# KiCad board bugg-panel-r3.kicad_pcb (continued)
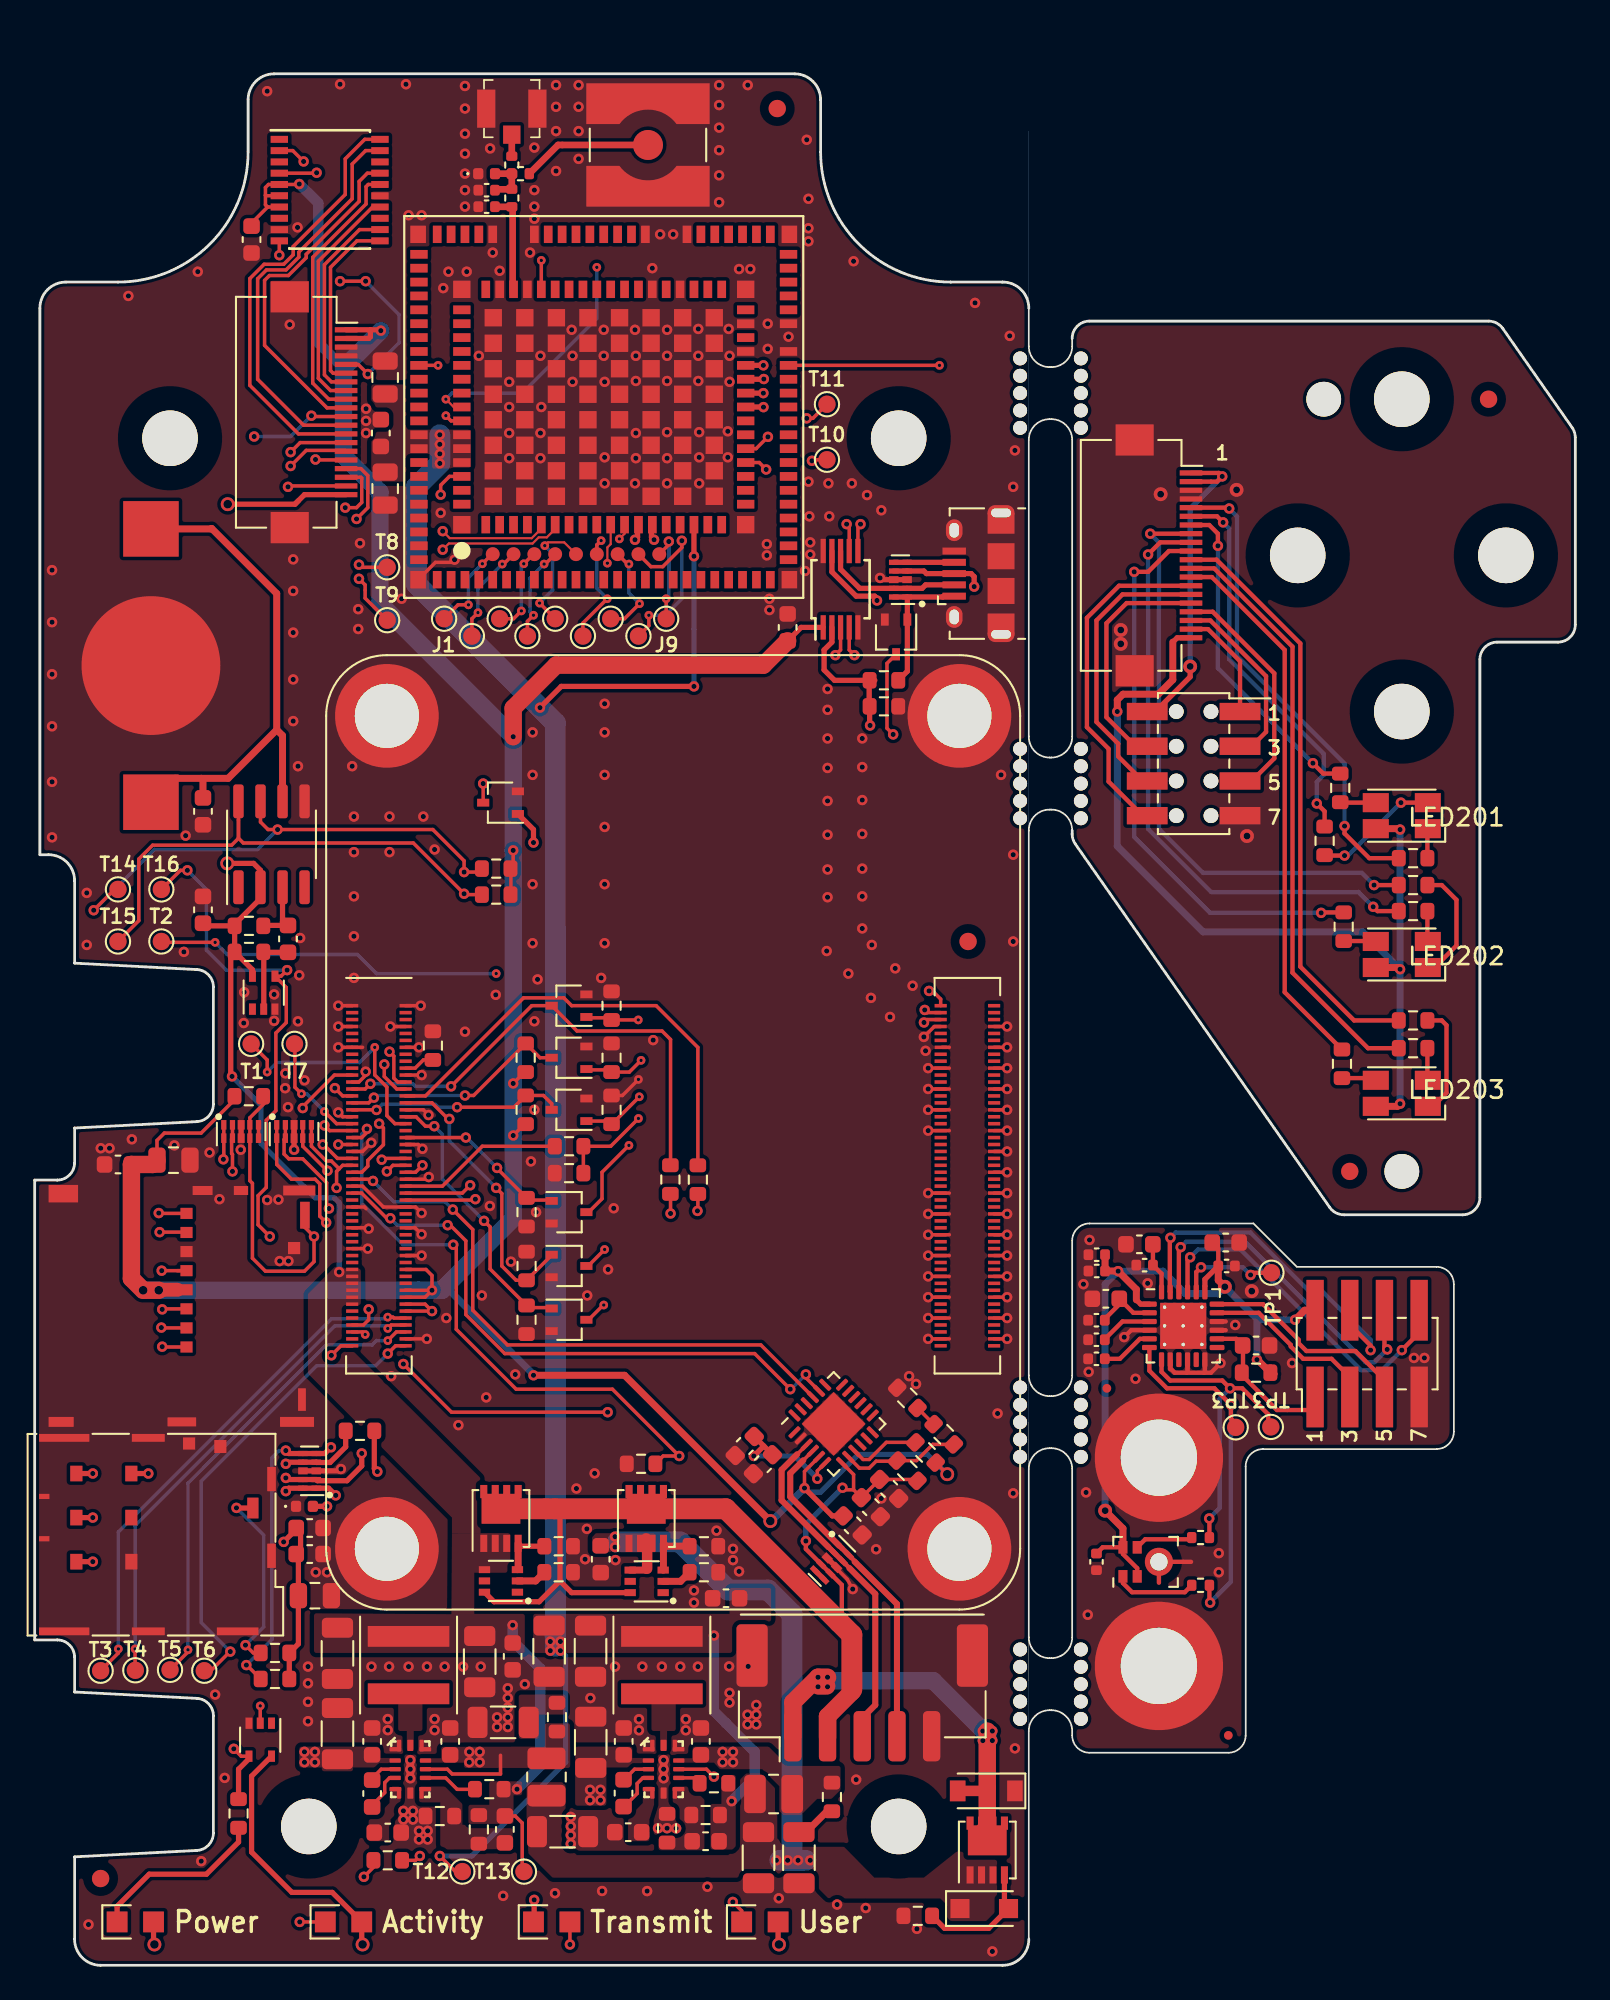
[diagram p0: board, top side]
## Footprints (pads in the part's own frame, mm; a bottom-side part is the same pattern mirrored in y, then rotated) (continued)
  rect 1.55x0.55 smd: DSW1(-5.225,14.775)
  rect 0.7x0.7 smd: DSW2(-3.33,14.15)
  rect 0.57x1.85 smd: GND(-6.65,14.45)
  rect 0.52x0.82 smd: GND(-6.65,11.09)
  rect 0.52x1.15 smd: GND(-6.65,8.88)
  rect 1.01x1.7 smd: GND(-6.465,0.85)
  rect 1.3x0.45 smd: GND(5.4,14.605)
  rect 0.57x1.96 smd: GND(6.685,14.32)
  rect 0.52x1.65 smd: GND(6.685,7.68)
  rect 0.57x1.45 smd: GND(6.685,0.725)
Molex_CLIK-Mate_502443-0570_1x05-1MP_P2.00mm_Vertical
  rrect 1x2.9 smd: 1(-4,-2.5) 2(-2,-2.5) 3(0,-2.5) 4(2,-2.5) 5(4,-2.5)
  rrect 1.8x3.6 smd: MP(-6.35,2.15) MP(6.35,2.15)
Mounting_Wuerth_WA-SMSI-M3_H7mm_9774070360
  custom 3.192x3.192 smd: (-2.058,2.058) (-2.058,-2.058) (2.058,2.058) (2.058,-2.058)
  round 4.4 hole 4.4 unplated: (0,0)
  round 1.1 smd: 1(-2.95,0) 1(0,2.95) 1(0,-2.95)
  custom 7.4x7.4 smd: 1(2.95,0)
MountingHole_3.2mm_M3_DIN965
  round 5.5 hole 3.2 unplated: (0,0)
mousebite-2.5mm
  round 0.8 hole 0.8 unplated: (-2,3) (-2,-0.5) (-1,3) (-1,-0.5) (0,3) (0,-0.5) (1,3) (1,-0.5) (2,3) (2,-0.5)
MSOP-10_3x3mm_P0.5mm
  rect 1.4x0.3 smd: 1(-2.2,1) 2(-2.2,0.5) 3(-2.2,0) 4(-2.2,-0.5) 5(-2.2,-1) 6(2.2,-1) 7(2.2,-0.5) 8(2.2,0) 9(2.2,0.5) 10(2.2,1)
PinHeader_2x04_P2.00mm_Vertical_SMD_AMPMODU
  rect 3.5x1 smd: 1(-2.5,3) 2(2.5,3) 3(-2.5,1) 4(2.5,1) 5(-2.5,-1) 6(2.5,-1) 7(-2.5,-3) 8(2.5,-3)
PinSocket_2x04_P2.00mm_Vertical_SMD_Bottom_or_Top_Entry_AMPMODU
  round 0.85 hole 0.85 unplated: (-1,3) (-1,1) (-1,-1) (-1,-3) (1,3) (1,1) (1,-1) (1,-3)
  rect 2.35x1 smd: 1(2.675,3) 2(-2.675,3) 3(2.675,1) 4(-2.675,1) 5(2.675,-1) 6(-2.675,-1) 7(2.675,-3) 8(-2.675,-3)
QFN-24-1EP_4x4mm_P0.5mm_EP2.6x2.6mm
  rrect 1.05x1.05 smd: (-0.65,0.65) (-0.65,-0.65) (0.65,0.65) (0.65,-0.65)
  rrect 0.825x0.25 smd: 1(-1.938,1.25) 2(-1.937,0.75) 3(-1.938,0.25) 4(-1.938,-0.25) 5(-1.937,-0.75) 6(-1.938,-1.25) 13(1.938,-1.25) 14(1.937,-0.75) 15(1.938,-0.25) 16(1.938,0.25) 17(1.937,0.75) 18(1.938,1.25)
  rrect 0.25x0.825 smd: 7(-1.25,-1.938) 8(-0.75,-1.937) 9(-0.25,-1.938) 10(0.25,-1.938) 11(0.75,-1.937) 12(1.25,-1.938) 19(1.25,1.938) 20(0.75,1.937) 21(0.25,1.938) 22(-0.25,1.938) 23(-0.75,1.937) 24(-1.25,1.938)
  rect 2.6x2.6 smd: 25(0,0)
QFN-24-1EP_4x4mm_P0.5mm_EP2.65x2.65mm_ThermalVias
  rrect 1.15x1.15 smd: (-0.66,0.66) (-0.66,-0.66) (0.66,0.66) (0.66,-0.66)
  rrect 0.85x0.3 smd: 1(-1.95,1.25) 2(-1.95,0.75) 3(-1.95,0.25) 4(-1.95,-0.25) 5(-1.95,-0.75) 6(-1.95,-1.25) 13(1.95,-1.25) 14(1.95,-0.75) 15(1.95,-0.25) 16(1.95,0.25) 17(1.95,0.75) 18(1.95,1.25)
  rrect 0.3x0.85 smd: 7(-1.25,-1.95) 8(-0.75,-1.95) 9(-0.25,-1.95) 10(0.25,-1.95) 11(0.75,-1.95) 12(1.25,-1.95) 19(1.25,1.95) 20(0.75,1.95) 21(0.25,1.95) 22(-0.25,1.95) 23(-0.75,1.95) 24(-1.25,1.95)
  round 0.5 hole 0.2: 25(-1.075,1.075) 25(-1.075,0) 25(-1.075,-1.075) 25(0,1.075) 25(0,0) 25(0,-1.075) 25(1.075,1.075) 25(1.075,0) 25(1.075,-1.075)
  rect 2.65x2.65 smd: 25(0,0)
  rect 2.65x2.65 smd far side: 25(0,0)
R_0402_1005Metric
  rrect 0.54x0.64 smd: 1(-0.51,0) 2(0.51,0)
R_0603_1608Metric
  rrect 0.8x0.95 smd: 1(-0.825,0) 2(0.825,0)
Raspberry-Pi-4-Compute-Module-no-holes
  rect 0.7x0.2 smd: 1(-2,31.3) 2(1.08,31.3) 3(-2,30.9) 4(1.08,30.9) 5(-2,30.5) 6(1.08,30.5) 7(-2,30.1) 8(1.08,30.1) 9(-2,29.7) 10(1.08,29.7) 11(-2,29.3) 12(1.08,29.3) 13(-2,28.9) 14(1.08,28.9) 15(-2,28.5) 16(1.08,28.5) 17(-2,28.1) 18(1.08,28.1) 19(-2,27.7) 20(1.08,27.7) 21(-2,27.3) 22(1.08,27.3) 23(-2,26.9) 24(1.08,26.9) 25(-2,26.5) 26(1.08,26.5) 27(-2,26.1) 28(1.08,26.1) 29(-2,25.7) 30(1.08,25.7) 31(-2,25.3) 32(1.08,25.3) 33(-2,24.9) 34(1.08,24.9) 35(-2,24.5) 36(1.08,24.5) 37(-2,24.1) 38(1.08,24.1) 39(-2,23.7) 40(1.08,23.7) 41(-2,23.3) 42(1.08,23.3) 43(-2,22.9) 44(1.08,22.9) 45(-2,22.5) 46(1.08,22.5) 47(-2,22.1) 48(1.08,22.1) 49(-2,21.7) 50(1.08,21.7) 51(-2,21.3) 52(1.08,21.3) 53(-2,20.9) 54(1.08,20.9) 55(-2,20.5) 56(1.08,20.5) 57(-2,20.1) 58(1.08,20.1) 59(-2,19.7) 60(1.08,19.7) 61(-2,19.3) 62(1.08,19.3) 63(-2,18.9) 64(1.08,18.9) 65(-2,18.5) 66(1.08,18.5) 67(-2,18.1) 68(1.08,18.1) 69(-2,17.7) 70(1.08,17.7) 71(-2,17.3) 72(1.08,17.3) 73(-2,16.9) 74(1.08,16.9) 75(-2,16.5) 76(1.08,16.5) 77(-2,16.1) 78(1.08,16.1) 79(-2,15.7) 80(1.08,15.7) 81(-2,15.3) 82(1.08,15.3) 83(-2,14.9) 84(1.08,14.9) 85(-2,14.5) 86(1.08,14.5) 87(-2,14.1) 88(1.08,14.1) 89(-2,13.7) 90(1.08,13.7) 91(-2,13.3) 92(1.08,13.3) 93(-2,12.9) 94(1.08,12.9) 95(-2,12.5) 96(1.08,12.5) 97(-2,12.1) 98(1.08,12.1) 99(-2,11.7) 100(1.08,11.7) 101(31.92,31.3) 102(35,31.3) 103(31.92,30.9) 104(35,30.9) 105(31.92,30.5) 106(35,30.5) 107(31.92,30.1) 108(35,30.1) 109(31.92,29.7) 110(35,29.7) 111(31.92,29.3) 112(35,29.3) 113(31.92,28.9) 114(35,28.9) 115(31.92,28.5) 116(35,28.5) 117(31.92,28.1) 118(35,28.1) 119(31.92,27.7) 120(35,27.7) 121(31.92,27.3) 122(35,27.3) 123(31.92,26.9) 124(35,26.9) 125(31.92,26.5) 126(35,26.5) 127(31.92,26.1) 128(35,26.1) 129(31.92,25.7) 130(35,25.7) 131(31.92,25.3) 132(35,25.3) 133(31.92,24.9) 134(35,24.9) 135(31.92,24.5) 136(35,24.5) 137(31.92,24.1) 138(35,24.1) 139(31.92,23.7) 140(35,23.7) 141(31.92,23.3) 142(35,23.3) 143(31.92,22.9) 144(35,22.9) 145(31.92,22.5) 146(35,22.5) 147(31.92,22.1) 148(35,22.1) 149(31.92,21.7) 150(35,21.7) 151(31.92,21.3) 152(35,21.3) 153(31.92,20.9) 154(35,20.9) 155(31.92,20.5) 156(35,20.5) 157(31.92,20.1) 158(35,20.1) 159(31.92,19.7) 160(35,19.7) 161(31.92,19.3) 162(35,19.3) 163(31.92,18.9) 164(35,18.9) 165(31.92,18.5) 166(35,18.5) 167(31.92,18.1) 168(35,18.1) 169(31.92,17.7) 170(35,17.7) 171(31.92,17.3) 172(35,17.3) 173(31.92,16.9) 174(35,16.9) 175(31.92,16.5) 176(35,16.5) 177(31.92,16.1) 178(35,16.1) 179(31.92,15.7) 180(35,15.7) 181(31.92,15.3) 182(35,15.3) 183(31.92,14.9) 184(35,14.9) 185(31.92,14.5) 186(35,14.5) 187(31.92,14.1) 188(35,14.1) 189(31.92,13.7) 190(35,13.7) 191(31.92,13.3) 192(35,13.3) 193(31.92,12.9) 194(35,12.9) 195(31.92,12.5) 196(35,12.5) 197(31.92,12.1) 198(35,12.1) 199(31.92,11.7) 200(35,11.7)
SMA_Amphenol_132134-10_Vertical
  round 1.73 smd: 1(0,0)
  custom 7.11x2.35 smd: 2(0,2.8) 2(0,-2.8)
SOIC-8_3.9x4.9mm_P1.27mm
  rrect 1.95x0.6 smd: 1(-2.475,1.905) 2(-2.475,0.635) 3(-2.475,-0.635) 4(-2.475,-1.905) 5(2.475,-1.905) 6(2.475,-0.635) 7(2.475,0.635) 8(2.475,1.905)
SOT-323_SC-70
  rect 0.7x0.45 smd: 1(-1,0.65) 2(-1,-0.65) 3(1,0)
SOT-353_SC-70-5
  rect 0.65x0.4 smd: 1(-0.95,0.65) 2(-0.95,0) 3(-0.95,-0.65) 4(0.95,-0.65) 5(0.95,0.65)
SOT-363_SC-70-6
  rect 0.65x0.4 smd: 1(-0.95,0.65) 2(-0.95,0) 3(-0.95,-0.65) 4(0.95,-0.65) 5(0.95,0) 6(0.95,0.65)
SSOP-20_4.4x6.5mm_P0.65mm
  rect 1x0.4 smd: 1(-2.9,2.925) 2(-2.9,2.275) 3(-2.9,1.625) 4(-2.9,0.975) 5(-2.9,0.325) 6(-2.9,-0.325) 7(-2.9,-0.975) 8(-2.9,-1.625) 9(-2.9,-2.275) 10(-2.9,-2.925) 11(2.9,-2.925) 12(2.9,-2.275) 13(2.9,-1.625) 14(2.9,-0.975) 15(2.9,-0.325) 16(2.9,0.325) 17(2.9,0.975) 18(2.9,1.625) 19(2.9,2.275) 20(2.9,2.925)
TestPoint_Pad_D1.0mm
  round 1 smd: 1(0,0)
unnamed
  round 2 hole 2 unplated: (0,0)
USB_Micro-B_Amphenol_10118194_Horizontal
  oval 0.89x1.55 smd: (-3.5,-1.3) (3.5,-1.3)
  oval 1.25x0.95 smd: (-2.5,1.4) (2.5,1.4)
  rect 0.4x1.35 smd: 1(-1.3,1.4) 2(-0.65,1.4) 3(0,1.4) 4(0.65,1.4) 5(1.3,1.4)
  oval 0.89x1.55 hole 0.5x1.15: 6(-3.5,-1.3) 6(3.5,-1.3)
  rect 1.2x1.55 smd: 6(-2.9,-1.3) 6(2.9,-1.3)
  oval 1.25x0.95 hole 0.85x0.55: 6(-2.5,1.4) 6(2.5,1.4)
  rect 1.5x1.55 smd: 6(-1,-1.3) 6(1,-1.3)
USON-10_2.5x1.0mm_P0.5mm
  rect 0.55x0.3 smd: 1(-0.385,1) 1(0.385,1) 2(-0.385,0.5) 2(0.385,0.5) 4(-0.385,-0.5) 4(0.385,-0.5) 5(-0.385,-1) 5(0.385,-1)
  rect 0.55x0.4 smd: 3(-0.385,0) 3(0.385,0)
Vishay_PowerPAK_1212-8_Single
  rect 0.99x0.405 smd: 1(-1.435,0.99) 2(-1.435,0.33) 3(-1.435,-0.33) 4(-1.435,-0.99)
  custom 2.235x2.39 smd: 5(0.557,0)
WQFN-HR-13
  rrect 0.675x0.25 smd: 1(-0.863,1.15) 5(-0.863,-1.15) 7(0.863,-1.15) 11(0.863,1.15)
  rrect 0.25x0.675 smd: 1(-0.65,1.363) 5(-0.65,-1.363) 7(0.65,-1.363) 11(0.65,1.363)
  rrect 0.65x0.25 smd: 2(-0.875,0.5) 3(-0.875,0) 4(-0.875,-0.5) 8(0.875,-0.5) 9(0.875,0) 10(0.875,0.5)
  rrect 0.35x0.65 smd: 6(0,-1.375) 12(0,1.375)
  rrect 0.45x1.45 smd: 13(0,0)
wurth-spacer-WA-SMSI-9774030151R
  round 3.7 hole 3.7 unplated: (0,0)
  custom 5.98x5.98 smd: 1(2.415,0)

## Nets
+3V3: C29.1 C30.1 C33.1 C37.2 C38.2 C101.1 C106.2 C107.2 C110.1 C111.1 D1.2 D2.2 D3.2 D7.2 J14.4 J16.1 J16.2 J101.2 J201.2 J202.1 J202.2 MIC101.2 MIC101.5 Module1.78 Module1.84 Module1.86 R1.2 R2.2 R24.2 R28.1 R45.1 R46.1 R103.2 U1.5 U9.5 U9.6 U9.7 U12.5 U15.1 U101.1 U101.19
+3V7: C12.1 C14.1 C16.1 C18.1 C21.1 C22.1 C23.1 L2.2 R13.1 R16.1 T12.1 U7.16 U7.61 U7.62 U7.63 U7.157 U7.158
+5V: C11.1 C13.1 C15.1 C17.1 C35.1 J16.20 J202.20 L1.2 LED201.2 LED202.2 LED203.2 Module1.77 Module1.79 Module1.81 Module1.83 Module1.85 Module1.87 Q1.1 Q1.2 Q1.3 R12.1 R14.1 R29.1 R30.1 T13.1 U3.4 U13.2 U14.5
/3V7_EN: Module1.39 R6.1 U6.9
/+1V8: Module1.88 Module1.90 T2.1
/Modem/1V8_BOOT_MODE: Q7.3 U7.47
/Modem/1V8_POWER_ON_N: Q5.3 U7.59
/Modem/1V8_RESET_IN_N: Q6.3 U7.11
/Modem/1V8_SAFE_PWR_REMOVE: Q10.1 R41.1 U7.152
/Modem/1V8_TX_ON: Q9.1 R43.1 U7.60
/Modem/1V8_WAKE: R39.2 R40.2 U7.10
/Modem/1V8_WAKE_ON_WWAN: Q11.1 R42.1 U7.110
/Power and input connector/Vin: C1.1 C2.1 C43.1 D5.1 FB1.1 FB2.1 Q2.1 Q2.2 Q2.3 Q3.1 Q3.2 Q3.3 U4.4
/Power and input connector/VIN_DCDC_3V7: C3.1 C5.1 C41.1 FB1.2 R36.1 U6.2 U6.10
/Power and input connector/VIN_DCDC_5: C4.1 C6.1 C42.1 FB2.2 R35.1 U5.2 U5.9 U5.10
GND: BT1.2 C1.2 C2.2 C3.2 C4.2 C5.2 C6.2 C7.1 C8.1 C13.2 C14.2 C15.2 C16.2 C17.2 C18.2 C19.1 C20.2 C21.2 C22.2 C23.2 C24.2 C26.2 C28.2 C29.2 C30.2 C31.2 C32.2 C33.2 C34.2 C35.2 C37.1 C38.1 C39.2 C40.2 C41.2 C42.2 C43.2 C44.2 C45.2 C101.2 C102.1 C103.1 C104.1 C105.1 C106.1 C107.1 C108.1 C109.1 C110.2 C111.2 C112.1 D4.1 D6.1 D9.1 H101.1 H102.1 J10.5 J10.MP J11.2 J12.1 J13.C5 J13.CSW J13.SH J14.6 J14.DSW2 J14.GND J15.5 J15.6 J16.3 J16.4 J16.MP J101.7 J201.7 J202.3 J202.4 J202.MP MIC101.3 Module1.1 Module1.2 Module1.7 Module1.8 Module1.13 Module1.14 Module1.22 Module1.23 Module1.32 Module1.33 Module1.42 Module1.43 Module1.52 Module1.53 Module1.59 Module1.60 Module1.65 Module1.66 Module1.71 Module1.74 Module1.98 Module1.107 Module1.108 Module1.113 Module1.114 Module1.119 Module1.120 Module1.125 Module1.126 Module1.131 Module1.132 Module1.137 Module1.138 Module1.144 Module1.150 Module1.155 Module1.156 Module1.161 Module1.162 Module1.167 Module1.168 Module1.173 Module1.174 Module1.179 Module1.180 Module1.185 Module1.186 Module1.191 Module1.192 Module1.197 Module1.198 Q4.2 Q5.2 Q6.2 Q7.2 Q8.2 Q9.2 Q10.2 Q11.2 R3.2 R6.2 R7.2 R8.2 R9.2 R10.2 R11.2 R15.2 R17.2 R27.2 R32.2 R33.2 R37.2 R38.2 R40.1 R41.2 R42.2 R43.2 SP1.1 SP2.1 SP3.1 SP4.1 U1.3 U2.3 U5.1 U5.6 U5.11 U5.13 U6.1 U6.6 U6.11 U6.13 U7.30 U7.32 U7.37 U7.39 U7.48 U7.50 U7.67 U7.68 U7.69 U7.70 U7.111 U7.113 U7.125 U7.128 U7.136 U7.139 U7.167 U7.168 U7.169 U7.170 U7.171 U7.172 U7.173 U7.174 U7.175 U7.176 U7.177 U7.178 U7.179 U7.180 U7.181 U7.182 U7.183 U7.184 U7.185 U7.186 U7.187 U7.188 U7.189 U7.190 U7.191 U7.192 U7.193 U7.194 U7.195 U7.196 U7.197 U7.198 U7.199 U7.200 U7.201 U7.202 U7.203 U7.204 U7.205 U7.206 U7.207 U7.208 U7.209 U7.210 U7.211 U7.212 U7.213 U7.214 U7.215 U7.216 U7.217 U7.218 U7.219 U7.220 U7.221 U7.222 U7.223 U7.224 U7.225 U7.226 U7.227 U7.228 U7.229 U7.230 U7.231 U7.232 U7.233 U7.234 U8.3 U9.9 U9.15 U10.3 U11.3 U12.2 U12.25 U13.5 U14.3 U15.5 U15.10 U16.3 U101.4 U101.8 U101.10 U101.12 U101.15 U101.16 U101.25
VBUS: C39.1 C40.1 J10.2 Q1.5 Q2.5 R25.1 U2.4 U3.6 U4.6 U12.7
/BCLK: J16.15 J101.6 J201.6 J202.15 Module1.49 U101.22
/BOOT_MODE: Module1.40 Q7.1 R38.1
/FSYNC: J16.16 J101.4 J201.4 J202.16 Module1.26 U101.23
/GLOBAL_EN_o: Module1.99 T16.1 U14.4
/LED1_B: J202.7 R201.1
/LED1_G: J202.6 R204.1
/LED1_R: J202.5 R207.1
/LED2_B: J202.10 R202.1
/LED2_G: J202.9 R205.1
/LED2_R: J202.8 R208.1
/LED3_B: J202.13 R203.1
/LED3_G: J202.12 R206.1
/LED3_R: J202.11 R209.1
/LED driver, LED board connections/LED1_B: J16.7 U9.12
/LED driver, LED board connections/LED1_G: J16.6 U9.11
/LED driver, LED board connections/LED1_R: J16.5 U9.10
/LED driver, LED board connections/LED2_B: J16.10 U9.17
/LED driver, LED board connections/LED2_G: J16.9 U9.16
/LED driver, LED board connections/LED2_R: J16.8 U9.14
/LED driver, LED board connections/LED3_B: J16.13 U9.20
/LED driver, LED board connections/LED3_G: J16.12 U9.19
/Modem/RF_ANT: J12.2 R19.1
/Modem/RF_MAIN: C20.1 R20.2 U7.49
/Modem/RF_TEST: J11.1 R18.1
/Modem/UIM_CLK: R23.1 U7.27
/Modem/UIM_CLK_R: J13.C3 R23.2 U8.4
/Modem/UIM_DATA: J13.C7 R22.1 U7.28 U8.5
/Modem/UIM_RESET_N: J13.C2 U7.29 U8.2
/Modem/UIM_SIM_DET: Q8.3 U7.64
/Modem/UIM_VCC: C24.1 C26.1 C28.1 J13.C1 R21.2 R22.2 U7.26 U8.1
/MODEM_USB_DN: U7.12 U15.6
/MODEM_USB_DP: U7.13 U15.7
/nPWR_LED: J16.11 R5.1 U1.4
/nPWR_LED_BUF: Module1.95 U1.2
/nRPIBOOT: Module1.93 Q4.3
/Power and input connector/IN_VIN: D4.2 J10.1 Q3.5
/Power and input connector/SW_3V7: L2.1 U6.12
/Power and input connector/SW_5V2: L1.1 U5.12
/POWER_ON_N: Module1.34 Q5.1 R33.1
/RESET_IN_N: Module1.30 Q6.1 R37.1
/RESET_OUT_N: Module1.38
/RTC/n_RTC_INT: C36.2 R29.2 U13.3
/RXD: Module1.51 U12.21
/SAFE_PWR_REMOVE: Module1.31 Q10.3 R45.2
/SCL: J16.18 J101.3 J201.3 J202.18 Module1.56 R1.1 T15.1 U9.2 U13.8 U101.17
/SD_CLK: J14.5 Module1.46 U10.4
/SD_CMD: J14.3 Module1.47 U10.5
/SD_DAT0: J14.7 Module1.45 U11.1
/SD_DAT1: J14.8 Module1.41 U11.2
/SD_DAT2: J14.1 Module1.24 U10.1
/SD_DAT3: J14.2 Module1.48 U10.2
/SD_nDET: J14.DSW1 Module1.50 R24.1 U11.4
/SDA: J16.17 J101.5 J201.5 J202.17 Module1.58 R2.1 T14.1 U9.4 U13.7 U101.18
/SDOUT: J16.14 J101.8 J201.8 J202.14 Module1.27 U101.21
/SHDNZ: C112.2 J16.19 J101.1 J201.1 J202.19 Module1.37 R103.1 U101.14
/TX_ON: Module1.25 Q9.3 R44.2
/TXD: Module1.55 U12.20
/USB-OTG flashing interface/OTG_USB_DN: J15.2 U15.8 U16.2
/USB-OTG flashing interface/OTG_USB_DP: J15.3 U15.9 U16.4
/USB-UART bridge/CP2102_VDD: C31.1 C32.1 U12.6
/USB_DN: Module1.103 U15.4
/USB_DP: Module1.105 U15.3
/USB_OTG_ID: Module1.101 R31.1 R32.1 U15.2
/USB_UART_DN: J10.4 U2.1 U12.4
/USB_UART_DP: J10.3 U2.2 U12.3
/WAKE: Module1.54 R39.1
/WAKE_ON_WWAN: Module1.29 Q11.3 R46.2
Net-(BT1-Pad1): BT1.1 C34.1 U13.6
Net-(C7-Pad2): C7.2 U5.5
Net-(C8-Pad2): C8.2 U6.5
Net-(C9-Pad1): C9.1 U5.3
Net-(C9-Pad2): C9.2 U5.4
Net-(C10-Pad1): C10.1 U6.4
Net-(C10-Pad2): C10.2 U6.3
Net-(C11-Pad2): C11.2 R14.2 R15.1 U5.7
Net-(C12-Pad2): C12.2 R16.2 R17.1 U6.7
Net-(C19-Pad2): C19.2 D9.2 R18.2 R19.2 R20.1
Net-(C36-Pad1): C36.1 R30.2 U14.2
Net-(C44-Pad1): C44.1 R35.2
Net-(C45-Pad1): C45.1 R36.2
Net-(C102-Pad2): C102.2 U101.5
Net-(C103-Pad2): C103.2 U101.3
Net-(C104-Pad2): C104.2 C105.2 U101.2
Net-(C108-Pad2): C108.2 C109.2 U101.24
Net-(D1-Pad1): D1.1 R4.2
Net-(D2-Pad1): D2.1 R5.2
Net-(D3-Pad1): D3.1 R44.1
Net-(D5-Pad2): D5.2 Q3.4 R11.1
Net-(D6-Pad2): D6.2 J13.DSW Q8.1 R21.1
Net-(D7-Pad1): D7.1 R34.2
Net-(J1-Pad1): J1.1 U7.236
Net-(J2-Pad1): J2.1 U7.237
Net-(J3-Pad1): J3.1 U7.238
Net-(J4-Pad1): J4.1 U7.239
Net-(J5-Pad1): J5.1 U7.240
Net-(J6-Pad1): J6.1 U7.241
Net-(J7-Pad1): J7.1 U7.242
Net-(J8-Pad1): J8.1 U7.243
Net-(J9-Pad1): J9.1 U7.244
Net-(J15-Pad1): J15.1 Q4.1 R31.2 U16.1
Net-(J15-Pad4): J15.4 U16.5
Net-(LED201-Pad1): LED201.1 R207.2
Net-(LED201-Pad3): LED201.3 R201.2
Net-(LED201-Pad4): LED201.4 R204.2
Net-(LED202-Pad1): LED202.1 R208.2
Net-(LED202-Pad3): LED202.3 R202.2
Net-(LED202-Pad4): LED202.4 R205.2
Net-(LED203-Pad1): LED203.1 R209.2
Net-(LED203-Pad3): LED203.3 R203.2
Net-(LED203-Pad4): LED203.4 R206.2
Net-(MIC101-Pad1): MIC101.1 R101.1
Net-(MIC101-Pad4): MIC101.4 R102.1
Net-(Module1-Pad20): Module1.20 R3.1
Net-(Module1-Pad21): Module1.21 R4.1
Net-(Module1-Pad28): Module1.28 R34.1
Net-(Module1-Pad35): Module1.35 T7.1
Net-(Module1-Pad36): Module1.36 T1.1
Net-(Module1-Pad92): Module1.92 T3.1
Net-(Module1-Pad94): Module1.94 T4.1
Net-(Module1-Pad96): Module1.96 T5.1
Net-(Module1-Pad100): Module1.100 T6.1
Net-(Q1-Pad4): Q1.4 R9.1 U3.3
Net-(Q2-Pad4): Q2.4 R10.1 U4.3
Net-(R7-Pad1): R7.1 U3.2
Net-(R8-Pad1): R8.1 U4.2
Net-(R12-Pad2): R12.2 U5.8
Net-(R13-Pad2): R13.2 U6.8
Net-(R25-Pad2): R25.2 R26.1 U12.8
Net-(R26-Pad2): R26.2 R27.1
Net-(R28-Pad2): R28.2 U12.9
Net-(R101-Pad2): R101.2 TP102.1 U101.6
Net-(R102-Pad2): R102.2 TP103.1 U101.7
Net-(T8-Pad1): T8.1 U7.5
Net-(T9-Pad1): T9.1 U7.6
Net-(T10-Pad1): T10.1 U7.22
Net-(T11-Pad1): T11.1 U7.23
Net-(TP101-Pad1): TP101.1 U101.20

Pads without a net: J13 C6; Module1 3 4 5 6 9 10 11 12 15 16 17 18 19 44 57 61 62 63 64 67 68 69 70 72 73 75 76 80 82 89 91 97 102 104 106 109 110 111 112 115 116 117 118 121 122 123 124 127 128 129 130 133 134 135 136 139 140 141 142 143 145 146 147 148 149 151 152 153 154 157 158 159 160 163 164 165 166 169 170 171 172 175 176 177 178 181 182 183 184 187 188 189 190 193 194 195 196 199 200; U1 1; U2 5; U3 1 5; U4 1 5; U7 1 2 3 4 7 8 9 14 15 17 18 19 20 21 24 25 31 33 34 35 36 38 40 41 42 43 44 45 46 51 52 53 54 55 56 57 58 65 66 71 72 73 74 75 76 77 78 79 80 81 82 83 84 85 86 87 88 89 90 91 92 93 94 95 96 97 98 99 100 101 102 103 104 105 106 107 108 109 114 115 116 117 118 119 120 121 122 123 124 129 130 131 132 133 134 135 140 141 142 143 144 145 146 147 148 149 150 151 153 154 155 156 159 160 161 162 163 164 165 166; U9 1 3 8 13 18; U11 5; U12 1 10 11 12 13 14 15 16 17 18 19 22 23 24; U13 1 4; U14 1; U101 9 11 13

## Via types
v1: diameter 0.6, hole 0.3, Top to Bottom, 618 vias
v2: diameter 0.8, hole 0.4, Top to Bottom, 9 vias
v3: diameter 0.5, hole 0.2, Top to Bottom, 46 vias
v4: diameter 0.8, hole 0.5, Top to Bottom, 9 vias

## Routing (per net, layer and track width the routed paths; a pad name or vN(x,y) marks a point on that pad's centre or on a via; arc(x,y) is an arc through that point)
+3V3: length 356.1
  Top w0.2: U9.7 13.43,101.33 ; 13.43,101.33 13.3,101.45 13.3,102 ; 13.43,101.33 12.5,100.4 C38.2 ; 7.18,38.93 v4(7.15,38.9) ; R45.1 28.24,48.48 v1(27.58,47.82) ; R28.1 v4(52.6,28.3) ; 28.3,51.48 28.24,51.48 v1(27.58,50.82) ; D3.2 v1(30.85,1.2) ; v1(44.37,27.5) 44.37,28.46 U12.5 ; 13.3,102 13.33,101.97 14.1,101.97 ; 13.3,102 13.3,102.45 13.48,102.62 U9.5 15.23,102.62 v1(15.25,102.65) ; C29.1 7.05,47.54 7.47,47.96 9.59,47.96 11.52,49.88 R24.2 ; Module1.86 22.5,38.5 v1(22.9,38.9) ; v1(27.58,64.25) 27.58,63.36 R2.2 27.45,63.17 27.45,61.73 R1.2 27.58,61.86 ; v1(22.9,38.9) 22.9,39.75 22.55,40.1 Module1.78 ; v1(22.9,38.9) Module1.84 ; 6.3,38.9 v4(6.25,38.9)
  Top w0.25: U101.19 67.45,39.15 ; C111.1 68.22,41.3 C110.1 ; J202.1 68.25,86 v1(68.45,85.8) 68.15,85.5 J202.2 ; C101.1 61.56,24.09 MIC101.5 62.73,23.7 63.55,22.88 MIC101.2 ; 71.53,34.08 71.29,34.08 71.22,34.15
  Top w0.3: U1.5 12.5,10.9 12.5,6.52 14.83,4.2 17.15,4.2 D1.2 18.85,1.25 v4(18.9,1.2) ; v4(42.9,1.2) 42.85,1.25 D7.2 ; 63.5,38.35 63.75,38.1 U101.1 ; J16.2 19.25,93.75 19.35,93.85 19.35,94.25 ; 19.35,94.25 19.9,94.25 v1(19.95,94.2) ; 19.35,94.25 J16.1 ; 67.45,39.15 67.45,39.53 C111.1 ; D2.2 6.85,1.25 v4(6.9,1.2) ; v2(66.6,74.85) 66.6,74.25 64.6,72.25 J201.2 ; 43.4,76.33 44.17,77.1 U15.1 ; C33.1 45.97,25.9 v1(44.37,27.5)
  Top w0.4: J101.2 73.2,37.75 v1(72.65,37.2) ; v4(42.4,25.6) 34,34 v1(28.75,34) ; 63.5,38.35 63.5,38.95 v1(62.45,40) 62.44,40.01 61.7,40.01 61.7,40.91 ; MIC101.5 62.73,25.17 v2(61.7,26.2) ; v1(70.45,34.9) 70.47,34.9 71.22,34.15 ; C111.1 68.22,39.48 v2(68.6,39.1) ; 71.22,34.43 71.22,34.15
  Top w0.8: 8.22,38.93 7.18,38.93
  Top w1: C29.1 6.8,46.15 C30.1 5.57,39.58 v4(6.25,38.9) ; 43.4,76.33 42,74.92 30.06,74.92 27.58,72.45 v1(27.58,70.8) ; v4(7.15,38.9) 6.3,38.9
  In2.Cu w0.3: v4(52.6,28.3) 49.8,25.5 49.8,22.36 53.75,18.41 53.75,4.05 50.9,1.2 v4(42.9,1.2) v1(30.85,1.2) v4(18.9,1.2) v4(6.9,1.2)
  Bottom w0.3: v4(52.6,28.3) 51.46,29.44 47.48,29.44 45.3,27.26 44.61,27.26 v1(44.37,27.5) ; v1(68.45,85.8) 66.6,83.95 v2(66.6,74.85)
  Bottom w0.4: v1(70.45,34.9) 70.45,37.25 ; 70.45,37.25 70.5,37.2 v1(72.65,37.2) ; 70.45,37.25 v2(68.6,39.1) 68.2,38.7 66.33,38.7 65.03,40 v1(62.45,40) 61.7,39.25 v2(61.7,26.2) ; v1(28.75,34) 28.75,34.05 23.9,38.9 23.5,38.9 ; v1(44.37,27.5) 42.47,25.6 v4(42.4,25.6)
  Bottom w0.6: 17.8,92.05 16.35,93.5 16.35,101.55 v1(15.25,102.65)
  Bottom w0.8: 23.45,38.9 v1(22.9,38.9)
  Bottom w1: v1(19.95,94.2) 17.8,92.05 17.8,87 19.9,84.9 19.9,78.48 v1(27.58,70.8) v1(27.58,64.25) v1(27.58,50.82) v1(27.58,47.82) 27.58,43.03 23.45,38.9 22.1,38.9 ; 22.1,38.9 23.5,38.9 ; 22.1,38.9 v4(6.25,38.9)
+3V7: length 122.4
  Top w0.2: v1(23.35,6.3) 24.3,5.35 24.65,5.35
  Top w0.3: v1(29.12,72.47) 30.35,73.7 v1(38,73.7) ; U7.16 v1(38,81.2)
  Bottom w0.3: v1(23.35,6.3) 25.2,6.3 30.6,11.7 30.6,17.83 v1(30.3,18.13) ; v1(38,81.2) v1(38,73.7) ; 30.3,19.1 30.3,18.55
  Bottom w0.6: v1(39.15,19) 39.15,14.65 41.5,12.3 41.5,10.79 v1(40.17,9.46)
  Bottom w1.2: v1(23.35,88.2) v1(23.35,86.55) 22,85.2 22,79.6 30.01,71.59 30.02,18.4 30,19.05
  vias: v1(23.35,87.65) v1(23.35,87.1) v1(29.72,18.66) v1(29.72,18.13) v1(30.3,18.66)
+5V: length 130.6
  Top w0.2: 10.05,59.9 9.9,60.05 C35.1 ; 13.02,61.48 13.02,62.12 ; C11.1 27.7,8.6 28.1,8.2 28.1,5.5 T13.1 ; R29.1 11.53,59.99
  Top w0.3: v4(11.1,63.5) 12.62,63.5 13.02,63.1 13.02,62.12 ; U14.5 12.55,57.38 R30.1 R29.1 10.05,59.9 ; 11.73,58.45 11.3,58.02 11.3,51.3 v1(11.38,51.23) ; J16.20 15.55,84.75 15,84.2 ; J202.20 65.85,76.5 65.6,76.25 ; 11.53,59.99 13.02,61.48 ; v4(11.12,84.2) 15,84.2 ; 15,84.2 15.2,84.4
  Top w0.4: 65.6,76.25 65.6,74.08 64.77,73.25 62.73,73.25 62.4,72.92 v1(62.4,72.25) ; v1(78.7,49.65) 78.55,49.5 LED203.2 ; v1(78.7,65.45) 78.65,65.5 LED201.2 ; LED202.2 78.6,57.5 v1(78.7,57.4)
  In2.Cu w0.3: v4(11.1,63.5) 11.2,63.6 11.2,84.12 v4(11.12,84.2)
  Bottom w0.3: v1(17.55,39.95) 17.55,43.95 17.28,44.23 16.17,44.23 13.05,47.35 13.05,49.55 v1(11.38,51.23)
  Bottom w0.4: v1(78.7,57.4) v1(78.7,65.45) ; v1(78.7,57.4) v1(78.7,49.65) ; v1(78.7,57.4) 76.55,59.55 67.35,59.55 62.4,64.5 v1(62.4,72.25)
  Bottom w0.6: v1(27.55,19.6) 27.55,18.7 29.15,17.1 29.15,11.5 v1(27.8,10.15)
/3V7_EN: length 55.8
  Top w0.2: v1(39.15,10.87) 38.72,11.3 U6.9 ; R6.1 36.23,29.35 v1(37.15,29.35) 33.3,33.2 27.75,33.2 24.3,36.65 24.3,41.35 v1(24.12,41.52) ; v1(19.15,48.2) 19.15,48 18.85,47.7 Module1.39
  In2.Cu w0.2: v1(39.15,10.87) 39.05,10.97 39.05,18.15 37.15,20.05 v1(37.15,29.35)
  Bottom w0.2: v1(24.12,41.52) 21.23,41.52 18.85,43.9 18.85,47.9 v1(19.15,48.2)
/+1V8: length 45.4
  Top w0.2: Module1.90 v1(22.9,37.7) 22.5,38.1 Module1.88 ; 7.2,58.95 v3(10.4,58.95)
  In2.Cu w0.2: v1(22.9,37.7) 27.25,42.05 27.25,46.75 26.65,47.35 26.65,54.95 27.25,55.55 27.25,56.6 26.7,57.15 v3(26.6,57.15)
  Bottom w0.2: v3(10.4,58.95) 11.1,58.25 18.6,58.25 19.7,57.15 v3(26.6,57.15)
/Modem/1V8_BOOT_MODE: length 89.1
  Top w0.2: v3(34.25,47.25) 32.7,45.7 32.7,44.17 31.93,43.4 Q7.3 ; v3(29.2,98.25) U7.47
  In2.Cu w0.2: v3(29.2,98.25) 30.65,98.25 32.3,96.6 49.78,96.6 55.2,91.17 55.2,86.2 50.1,81.1 48.5,81.1 42.25,74.85 42.25,55.25 v3(34.25,47.25)
/Modem/1V8_POWER_ON_N: length 106.9
  Top w0.125: v3(23.7,90.25) 24.15,89.8 U7.59
  Top w0.2: v3(32.8,38.05) 32.77,38.05 31.93,37.2 Q5.3
  In2.Cu w0.2: v3(32.4,97.85) 33.2,97.05 49.9,97.05 55.6,91.35 55.6,85.9 53.95,84.25 53.95,82.2 52.45,80.7 48.6,80.7 42.75,74.85 42.75,54.7 34,45.95 34,39.25 v3(32.8,38.05)
  Bottom w0.2: v3(23.7,90.25) 24.05,90.6 28.1,90.6 32.4,94.9 v3(32.4,97.85)
/Modem/1V8_RESET_IN_N: length 44.5
  Top w0.125: U7.11 34,82.5 v3(33.7,82.2)
  Top w0.2: v3(32.85,41.25) 31.9,40.3 Q6.3
  In2.Cu w0.2: v3(32.85,41.25) 32.85,44.2 33.5,44.85 33.5,79.35 32.53,80.32 32.53,81.03 v3(33.7,82.2)
/Modem/1V8_SAFE_PWR_REMOVE: length 89.4
  Top w0.2: v3(34.85,50.05) 33.27,48.48 R41.1 33.08,48.65 Q10.1 ; v3(23.25,92.2) U7.152
  In2.Cu w0.2: 41.25,56.45 41.25,56.7 ; 41.25,56.45 v3(34.85,50.05) ; 41.25,56.45 41.25,75.01 48.14,81.9 49.55,81.9 54.4,86.75 54.4,90.75 49.45,95.7 26.75,95.7 v3(23.25,92.2)
/Modem/1V8_TX_ON: length 82.5
  Top w0.2: Q9.1 31.85,54.6 33.12,54.6 R43.1 33.26,54.48 v3(34.79,54.48) ; v3(23.7,89.3) 24,89 U7.60
  In2.Cu w0.2: v3(23.7,89.3) 29.7,95.3 48.05,95.3 53.6,89.75 53.6,87.2 49.1,82.7 48,82.7 36.17,70.87 36.17,55.86 v3(34.79,54.48)
/Modem/1V8_WAKE: length 40.4
  Top w0.125: v3(33.01,80.8) 33.01,81.71 33.2,81.9 U7.10
  Top w0.2: R40.2 R39.2 33.2,47.2 v3(34.8,48.8)
  In2.Cu w0.2: v3(34.8,48.8) 34.2,49.4 34.2,79.61 v3(33.01,80.8)
/Modem/1V8_WAKE_ON_WWAN: length 62.2
  Top w0.2: v3(34.95,52.15) 34.27,51.48 33.25,51.48 33.12,51.6 31.85,51.6 Q11.1 ; v3(52.15,92.2) U7.110
  In2.Cu w0.2: v3(34.95,52.15) 35.9,52.15 40.75,57 40.75,74.97 48.08,82.3 49.3,82.3 54,87 54,90.35 v3(52.15,92.2)
/Power and input connector/Vin: length 30.3
  Top w0.4: U4.4 35.23,22.77 35.3,22.85
  Top w0.6: 35.25,24.6 35.3,24.55 35.3,22.85
  Bottom w1.2: 33.6,24.4 37.2,24.4 39.98,21.62 42.27,21.62 43.65,20.25 43.65,6.05 42.95,6.05 ; 43.6,6.05 44.45,6.05
  vias: v1(33.45,24.7) v1(33.45,24.1) v1(42.75,6.05) v1(43.4,6.05) v1(44,6.05) v1(44.7,6.05)
/Power and input connector/VIN_DCDC_3V7:
  vias: v1(32.01,10.11) v1(32.01,9.51) v1(32.61,10.11) v1(32.61,9.51) v1(39.65,12.3) v1(39.65,11.7) v1(40.25,12.3) v1(40.25,11.7)
/Power and input connector/VIN_DCDC_5: length 5.5
  Top w0.2: U5.9 23.79,11.3 24.06,11.02 26.85,11.02 26.85,12.1
  vias: v1(15.55,12.3) v1(15.55,11.7) v1(16.15,12.3) v1(16.15,11.7) v1(25.05,12.3) v1(25.05,11.7) v1(25.65,12.3) v1(25.65,11.7)
GND: length 78.9
  Top w0.2: v1(22.7,49) 22.4,49.3 Module1.32 ; Module1.180 v1(56.05,39.7) ; Module1.162 v1(56.05,43.3) ; v1(22.3,40.9) Module1.74 21.88,40.9 ; Module1.132 v1(56.05,49.3) ; Module1.59 19,43.7 19.1,43.6 ; Module1.156 v1(56.05,44.5) ; v1(22.3,43.35) 21.95,43.7 20.1,43.7 18.9,44.9 Module1.53 ; 52.72,51.7 v1(51.5,51.7) ; 46.22,22.86 46.83,22.25 v1(47.15,21.68) ; 52.72,49.3 v1(51.5,49.3) ; Module1.138 v1(56.05,48.1) ; Module1.186 v1(56.05,38.5) ; v1(17.5,49.15) 17.75,48.9 Module1.33 ; v1(51.5,37.3) 52.72,37.3 ; Module1.174 v1(56.05,40.9) ; v1(19.4,47.4) 18.9,46.9 Module1.43 ; v3(34.8,51.05) 33.88,50.12 33.01,50.12 ; Module1.98 v1(22.6,36.1) ; v1(19.25,42.45) 19.2,42.5 Module1.65 ; v1(19.08,51.5) 19.08,51.29 18.68,50.9 Module1.23 ; Module1.22 v1(22.3,51.3) ; 52.72,43.3 v1(51.5,43.3) ; v1(17.5,52.9) Module1.13 18.9,52.9 ; Module1.66 21.93,42.5 v1(22.3,42.13) ; Module1.8 v1(20.5,54.1) ; v1(51.25,53.5) 51.85,54.1 Module1.107 ; 52.72,48.1 v1(51.5,48.1) ; 52.72,52.9 52.3,52.9 ; 52.72,40.9 v1(51.5,40.9) ; 52.72,50.5 v1(51.5,50.5) ; 21.88,47.3 Module1.42 22.1,47.3 v1(22.35,47.05) ; Module1.126 v1(56.05,50.5) ; Module1.2 v1(22.25,55.3) ; Module1.1 v1(17.5,55.3) ; Module1.144 v1(56.05,46.9) ; Module1.14 v1(22.15,52.9) ; U7.167 23.1,80.85 24.05,80.85 v1(24.2,81) ; Module1.198 v1(56.05,36.1) ; 52.72,44.5 v1(51.5,44.5) ; Module1.192 v1(56.05,37.3) 55.8,37.3 ; Module1.7 v1(17.5,54.1) ; 22.65,45.4 22.55,45.3 Module1.52 ; v1(51.5,38.5) 52.72,38.5 ; v1(51.5,36.1) 52.72,36.1 ; Module1.71 v1(19.2,41.3) ; Module1.114 v1(56.05,52.9) ; Module1.120 v1(56.05,51.7) ; 52.72,39.7 v1(51.5,39.7) ; Module1.108 v1(56.05,54.1) ; 52.72,42.1 v1(51.5,42.1) ; Module1.168 v1(56.05,42.1) ; Module1.150 v1(56.05,45.7)
  Top w0.25: 66.45,34.35 U101.10 66.45,34.2 66.4,34.15 ; 66.4,34.15 65.71,34.15 65.46,34.4 65.45,34.4 U101.8 65.45,34.35 ; 66.4,34.15 67.4,34.15 ; MIC101.3 66.65,23.25 ; U101.4 63.2,36.6 v1(62.8,36.2) ; 67.4,34.15 67.45,34.2 U101.12 67.45,34.35 ; 67.4,34.15 67.8,34.15 v1(68.35,34.7) ; 64.8,22.59 64.8,22.05 ; U101.16 68.65,37.1 ; U101.15 68.65,36.6
  Top w0.3: U8.3 U8.3 17.54,28.49 v1(17.65,28.6) ; 46.22,22.86 U2.3 U2.3 ; U11.3 U11.3 ; v1(48.73,79.95) 48.83,79.85 U16.3 50.28,79.85 ; v1(14.95,47) U10.3 U10.3
  vias: v1(1,80.4) v1(1,77.4) v1(1,74.4) v1(1,71.4) v1(1,68.2) v1(1,65) v1(3,61.8) v1(3,58.8) v1(3.1,2.35) v1(3.81,47.09) v1(4.31,47.09) v1(5.4,96.2) v1(5.6,47.6) v1(8.05,47.25) v1(8.6,58.4) v1(8.7,65.1) v1(9.4,97.6) v1(9.6,6) v1(10.08,46.84) v1(10.4,15.6) v1(10.65,44.15) v1(10.95,10.8) v1(11.87,47) v1(12.05,54.3) v1(12.07,56.08) v1(13.4,108) v1(13.4,44.1) v1(13.8,55.95) v1(13.8,54.42) v1(14.05,44.13) v1(14.12,40.58) v1(14.44,50.54) v1(14.45,51.4) v1(14.6,49.45) v1(14.63,40.58) v1(14.7,94.55) v1(14.9,81.02) v1(14.9,79.2) v1(14.9,76.8) v1(14.9,74.1) v1(14.9,71.7) v1(15.15,100.15) v1(15.17,69.1) v1(15.25,57.05) v1(15.17,54.4) v1(15.3,59.2) v1(15.55,51) v1(15.75,17.21) v1(15.75,16.25) v1(15.75,15.18) v1(15.75,14.06) v1(16.2,22.65) v1(16.85,22.65) v1(17.6,108.4) v1(18.3,69.1) v1(18.4,66.2) v1(18.4,64.15) v1(18.4,61.6) v1(18.4,59.3) v1(18.4,56.9) v1(18.65,78.15) v1(18.65,77.01) v1(18.75,81.95) v1(19.1,89.7) v1(19.1,89) v1(19.1,88.3) v1(19.41,17.21) v1(20.43,17.21) v1(20.35,14.19) v1(20.35,13.55) v1(20.45,66.2) v1(20.45,64.15) v1(20.55,33.95) v1(21.15,78.75) v1(21.25,8.9) v1(21.25,8.4) v1(21.4,108.4) v1(21.55,100.85) v1(21.55,17.21) v1(21.65,11.83) v1(21.65,11.3) v1(21.65,10.77) v1(21.8,8.9) v1(21.8,8.4) v1(22.15,7.75) v1(22.15,7.25) v1(22.3,100.85) v1(22.4,66.2) v1(22.61,17.21) v1(22.65,7.75) v1(22.65,7.25) v1(22.71,45.42) v1(23.05,64.3) v1(23.05,14.19) v1(23.05,13.55) v1(23.4,83.7) v1(23.55,96.65) v1(23.63,17.21) v1(23.73,37.3) v1(23.85,97.6) v1(24.42,31.13) v1(24.69,17.21) v1(24.8,108.3) v1(24.8,107) v1(24.8,105.55) v1(24.8,104.4) v1(24.8,103.25) v1(24.8,102.3) v1(24.8,101.35) v1(24.8,53.8) v1(24.9,97.6) v1(25.6,92.75) v1(25.71,17.21) v1(25.77,38.6) v1(26.02,32.73) v1(26.23,43.76) v1(26.25,104.7) v1(26.4,98.7) v1(26.57,55.92) v1(26.65,14.29) v1(26.65,13.73) v1(26.8,97.65) v1(27,4) v1(27.27,15.97) v1(27.27,15.41) v1(27.27,14.85) v1(27.27,14.29) v1(27.27,13.73) v1(27.35,91.25) v1(27.35,89.8) v1(27.35,88.3) v1(27.35,86.85) v1(27.45,40.55) v1(27.7,34.05) v1(28.25,16.2) v1(28.55,98.7) v1(28.6,46.33) v1(28.7,71.05) v1(28.7,68.6) v1(28.7,62.3) v1(28.7,58.9) v1(28.8,104.75) v1(28.8,102.3) v1(28.8,101.35) v1(28.8,100.65) v1(28.8,54.4) v1(28.8,49.3) v1(28.9,43.4) v1(28.98,56.81) v1(29.15,92.75) v1(29.15,88.3) v1(29.15,86.85) v1(29.2,89.8) v1(30.05,108.35) v1(30.05,107.1) v1(30.05,105.7) v1(30.05,103.4) v1(29.99,4.15) v1(30.95,94.25) v1(30.9,8.55) v1(30.9,8.01) v1(30.9,7.5) v1(30.9,7) v1(31,92.75) v1(31,91.25) v1(31.23,27.48) v1(31.35,108.35) v1(31.35,107.1) v1(31.35,105.7) v1(31.35,104.1) v1(31.73,23.4) v1(31.85,38.6) v1(31.82,25.15) v1(32.03,15.4) v1(32.27,28.35) v1(32.65,56.9) v1(32.7,4.28) v1(32.8,94.25) v1(32.8,92.75) v1(32.85,91.25) v1(32.85,86.9) v1(32.85,85.4) v1(32.85,72.7) v1(32.85,71.05) v1(32.85,68.6) v1(32.85,65.6) v1(32.85,62.3) v1(32.85,58.9) v1(33.05,40.1) v1(33.37,43.62) v1(33.48,23.35) v1(33.45,17.21) v1(34.6,94.25) v1(34.65,92.75) v1(34.65,91.3) v1(34.65,88.3) v1(34.65,86.85) v1(34.6,85.4) v1(34.83,14.18) v1(34.83,13.54) v1(35.03,17.21) v1(35.3,4.28) v1(35.6,97.8) v1(35.65,53.32) v1(35.93,7.9) v1(36.05,99.75) v1(36.15,17.21) v1(36.25,11.83) v1(36.25,11.3) v1(36.25,10.77) v1(36.45,94.25) v1(36.45,92.75) v1(36.45,91.3) v1(36.45,88.35) v1(36.45,86.85) v1(36.45,85.4) v1(36.45,7.9) v1(36.8,99.75) v1(36.97,7.89) v1(37.21,17.21) v1(37.53,14.18) v1(37.53,13.54) v1(38,21.6) v1(38,20.9) v1(38.25,94.3) v1(38.25,92.75) v1(38.25,91.3) v1(38.23,17.21) v1(38.3,88.35) v1(38.3,86.9) v1(38.3,85.4) v1(38.77,4.52) v1(39.3,25.05) v1(39.45,108.35) v1(39.45,107.2) v1(39.45,105.9) v1(39.45,104.6) v1(39.45,103.15) v1(39.45,101.6) v1(40,94.3) v1(40.05,92.75) v1(40.05,91.25) v1(39.95,88.4) v1(39.95,86.9) v1(40.02,17.23) v1(40.05,15.7) v1(40.05,15.14) v1(40.25,24) v1(40.25,23.35) v1(40.6,97.75) v1(40.6,22.7) v1(41.1,108.35) v1(41.12,17.23) v1(41.09,14.44) v1(41.09,13.88) v1(41.25,97.75) v1(41.59,15) v1(41.59,14.44) v1(41.59,13.88) v1(42.25,94.6) v1(42.25,93.15) v1(42.2,81.9) v1(42.2,81.25) v1(42.35,78.75) v1(42.35,78.1) v1(42.89,3.86) v1(43.45,93.85) v1(44.4,80.35) v1(44.5,105.2) v1(44.6,101.8) v1(44.6,100.1) v1(44.6,99.35) v1(44.6,85.5) v1(44.65,83.5) v1(44.7,82) v1(44.7,81.3) v1(45.75,85.4) v1(45.7,73.55) v1(45.7,72.35) v1(45.7,70.7) v1(45.7,69) v1(45.7,67.1) v1(45.7,65.15) v1(45.7,63.15) v1(45.7,61.55) v1(45.65,58.45) v1(45.8,83.5) v1(46.25,3.5) v1(46.9,57.15) v1(47.1,85.4) v1(47.2,98.2) v1(47.35,10.7) v1(47.7,70.7) v1(47.7,69.05) v1(47.7,67.15) v1(47.7,65.2) v1(47.7,63.2) v1(47.7,61.6) v1(47.7,59.75) v1(47.9,3.3) v1(47.98,84.72) v1(48.25,58.8) v1(48.2,55.75) v1(48.5,23.98) v1(48.8,83.85) v1(48.8,26.9) v1(49.3,54.65) v1(49.6,57.45) v1(50.4,33.95) v1(50.6,56.45) v1(50.8,33.5) v1(50.85,2.1) v1(51.35,52.7) v1(54.2,95.8) v1(55.2,0.8) v1(55.5,31.8) v1(55.7,68.6) v1(56.2,93.9) v1(56.4,85.2) v1(56.4,64) v1(56.4,59) v1(56.4,27.2) v1(56.5,87.3) v1(56.5,12.5) v1(60.45,39.25) v1(60.6,27.25) v1(60.75,34.2) v1(60.7,20.2) v1(60.8,41.8) v1(63.45,33.8) v1(64.15,39.3) v1(68.25,23.75) v1(68.25,22.65) v1(69.2,36.9) v1(72.47,34.71) v1(79.5,35) v1(80.1,35) v2(62.6,76.95) v2(62.6,76.15) v2(64.9,84.78) v2(69.28,85.03) v2(69.88,65.08) v2(70.15,38.85)
